# Allegro board RK_NVR_DEMO_RK3568_DDR4P216SD4_V12_20201221YWQ_final.brd (continued)
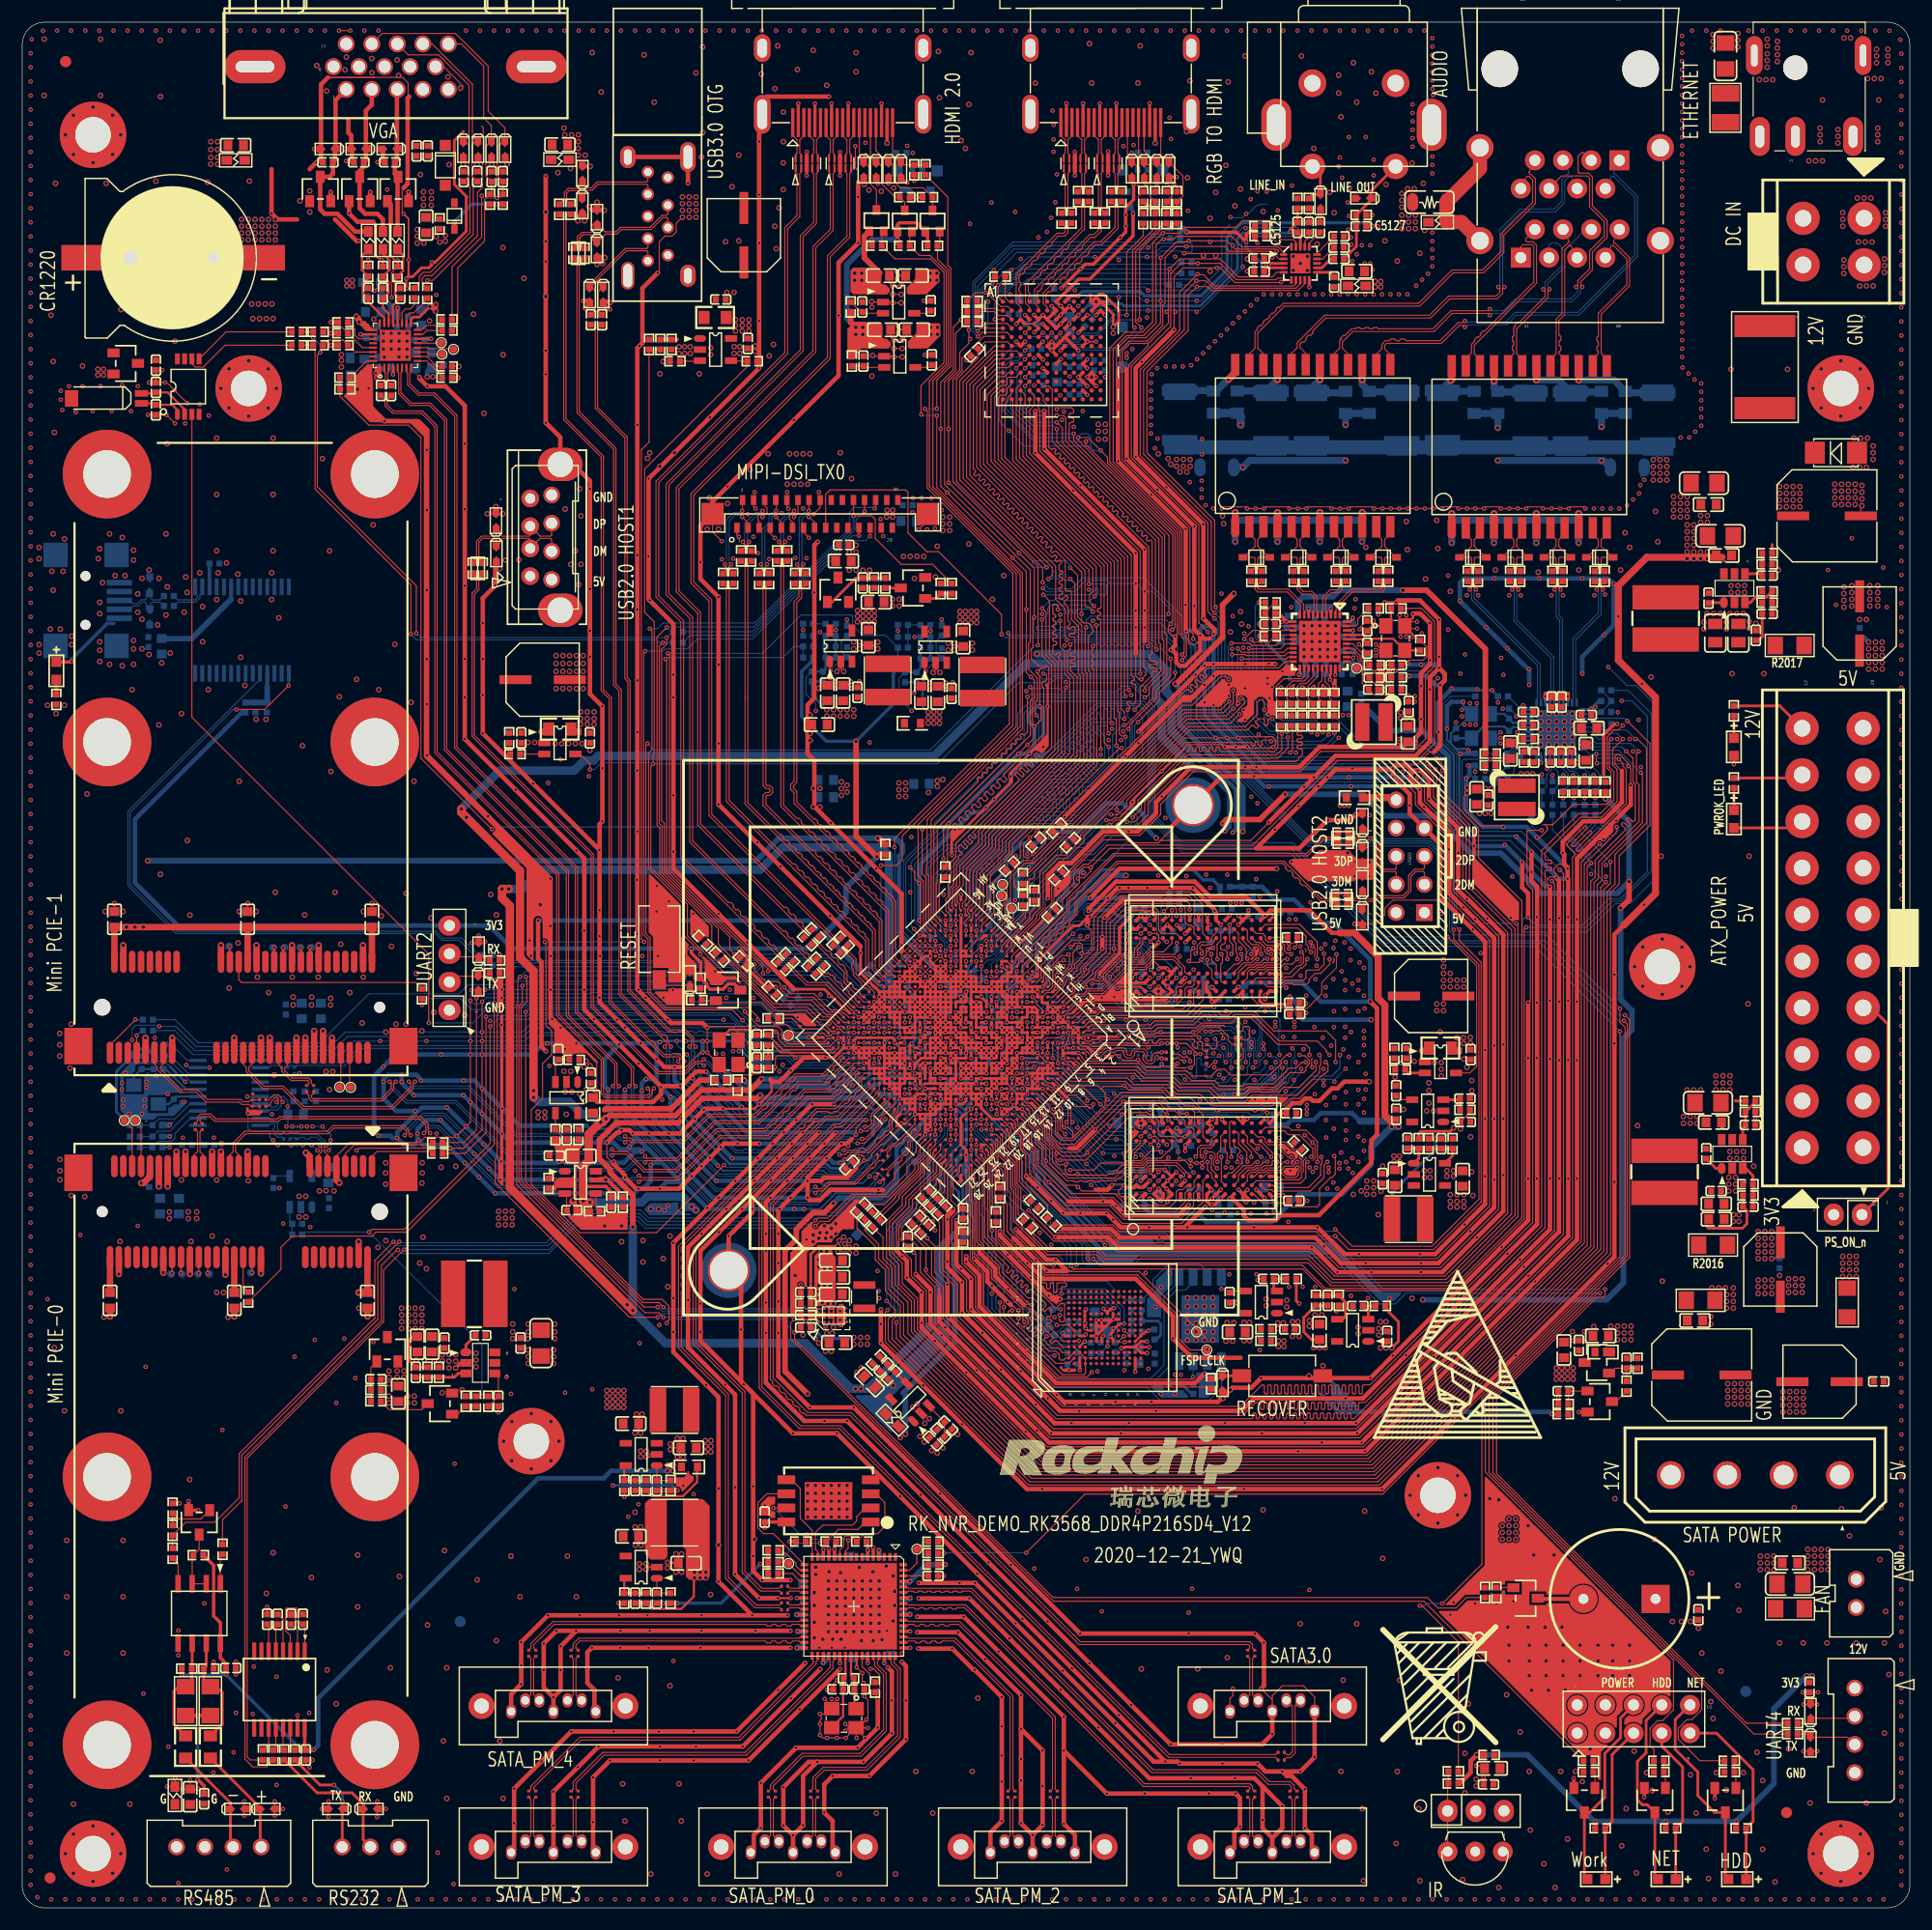
[diagram p0: board, top side]
## Copper pours and planes (outline as drawn; the poured copper is in the pictures) (continued)
GND on GND: 2.03,0.51 0.95,0.95 0.51,2.03 0.51,167.94 0.95,169.02 2.03,169.47 168.05,169.47 169.12,169.02 169.57,167.94 169.57,2.03 169.12,0.95 168.05,0.51
GND on POWER: 2.03,0.51 0.95,0.95 0.51,2.03 0.51,167.94 0.95,169.02 2.03,169.47 168.05,169.47 169.12,169.02 169.57,167.94 169.57,2.03 169.12,0.95 168.05,0.51 ; 9 cut-outs
GND on POWER: 105.11,86.56 105.11,85.14 105.61,84.63 105.61,81.48 103.23,79.1 103.23,78.54 102.97,78.28 102.97,77.72 103.38,77.32 103.38,75.59 104.6,74.37 105.41,74.37 105.82,73.96 105.82,68.68 105.21,68.07 105.21,67.36 107.09,65.48 116.43,65.48 117.09,66.14 120.04,66.14 120.95,67.06 120.95,71.22 121.36,71.63 121.36,73.86 120.95,74.27 120.95,74.78 121.36,75.18 121.36,75.59 120.95,76 120.95,85.47 119.25,87.17 106.12,87.17 105.71,86.77 105.31,86.77
VCC1V2_RK61X on TOP (solid shape): 82.73,142.72 82.73,141.71 81.58,140.56 79.93,140.56 79.81,140.69 79.81,141.2 80.2,141.59 80.3,141.59 80.3,141.69 80.57,141.96 80.57,142.72 80.7,142.85 82.6,142.85
VCC1V2_RK61X on BOTTOM: 94.39,138.66 94.54,138.66 94.64,138.76 94.64,140.28 94.34,140.59 93.42,140.59 93.22,140.39 93.22,140.18 93.12,140.08 92.76,140.08 92.13,140.72 92.13,141.07 92,141.2 91.74,141.2 91.62,141.07 91.62,140.31 91.74,140.18 92.13,140.18 92.51,139.8 92.51,138.71 92.84,138.38 94.11,138.38
VCC1V2_RK61X on BOTTOM: 95.55,136.25 96.27,136.96 96.27,137.31 95.33,138.25 95.12,138.25 94.95,138.07 94.95,136.35 95.05,136.25
VCC1V2_RK61X on POWER: 95.45,143.15 86.92,143.15 86.51,143.56 81.84,143.56 81.13,142.85 81.13,140.72 81.99,139.85 87.25,139.85 88.44,141.05 91.26,141.05 92.91,139.4 92.91,137.16 92.96,137.11 92.96,136.8 93.22,136.55 94.84,136.55 94.88,136.59 95.49,136.59 95.5,136.6 95.76,136.6 96.14,136.98 96.14,137.49 94.84,138.79 94.84,140.51 95.66,141.33 95.66,142.95
VCC3V3_ATX on TOP: 77.06,119.18 77.06,118.36 76.96,118.26 76.96,114.71 76.76,114.5 74.32,114.5 74.02,114.81 74.02,118.16 75.13,119.28 76.96,119.28
VCC3V3_ATX on TOP: 120.75,51.31 123.6,51.31 123.6,50.39 123.39,50.19 120.95,50.19 120.55,50.6 120.55,51.1
VCC3V3_ATX on TOP: 49.53,66.85 49.53,66.14 49.43,66.04 48.31,66.04 47.7,65.43 46.58,65.43 46.18,65.84 46.18,71.83 46.38,72.03 47.29,72.03 47.5,71.83 47.5,68.78 47.8,68.48 47.8,67.46 48.21,67.06 49.33,67.06
VCC3V3_ATX on TOP: 32.36,46.33 32.77,46.33 32.87,46.43 32.87,46.63 33.07,46.84 34.59,46.84 34.7,46.94 34.7,49.68 34.39,49.99 32.97,49.99 32.66,49.68 32.66,48.46 32.26,48.06 32.26,46.43
VCC3V3_ATX on TOP: 49.94,76.81 50.75,76.81 51.66,75.9 51.66,75.08 51.56,74.98 50.85,74.98 50.75,74.88 50.75,74.37 50.24,73.86 49.83,73.86 49.73,73.96 49.73,76.61
VCC3V3_ATX on TOP: 127.76,65.43 130.3,65.43 130.3,63.3 129.69,62.69 128.68,62.69 128.37,62.99 128.37,64.31 128.17,64.52 127.86,64.52 127.66,64.72 127.66,65.33
VCC3V3_ATX on TOP: 80.21,44.3 79.91,44.3 79.81,44.2 79.81,43.08 81.23,41.66 81.43,41.66 82.85,43.08 82.85,43.28 82.55,43.59 82.45,43.59 82.25,43.38 81.13,43.38
VCC3V3_ATX on TOP: 156.51,62.18 155.3,60.96 153.57,60.96 153.16,60.55 153.16,58.32 153.77,57.71 161.8,57.71 162.51,58.42 162.51,66.04 162.92,66.45 166.67,66.45 167.39,67.16 167.39,69.8 166.78,70.41 165.56,70.41 161.29,74.68 159.16,74.68 157.53,73.05 157.53,68.99 156.51,67.97
VCC3V3_ATX on TOP: 143.1,49.28 145.75,49.28 145.85,49.38 145.85,52.48 145.49,52.83 142.8,52.83 142.39,52.43 142.39,51 142.8,50.6 142.8,49.58
VCC3V3_ATX on TOP: 127.56,71.22 129.9,71.22 130,71.12 130,70 129.79,69.8 128.98,69.8 128.78,70 128.78,70.1 128.57,70.31 127.56,70.31 127.46,70.41 127.46,71.12
VCC3V3_ATX on TOP: 82.85,114.5 82.55,114.81 82.55,116.79 82.92,117.16 86.09,117.16 86.31,116.94 86.31,114.91 85.9,114.5
VCC3V3_ATX on TOP: 73.41,52.63 73.41,51.92 73.71,51.61 73.71,50.7 73.91,50.5 76.45,50.5 76.56,50.6 76.56,51.61 74.83,53.34 74.12,53.34 74.12,52.63
VCC3V3_ATX on BOTTOM: 121.97,51.31 121.97,50.29 122.38,49.89 144.63,49.89 145.44,50.7 145.44,53.01 144.02,54.43 138.71,54.43 138.63,54.36 125.12,54.36 122.28,51.51 122.17,51.51
VCC3V3_ATX on POWER: 132.13,64.92 154.38,64.92 158.24,61.06 158.24,58.52 157.12,57.4 146.96,57.4 145.75,56.18 145.75,50.57 144.78,49.61 137.95,49.61 137.41,49.07 137.41,46.43 127,36.02 89.87,36.02 86.26,39.62 81.74,39.62 81.72,39.64 81.22,39.64 72.49,48.36 52.17,48.36 52.13,48.4 41.85,48.4 40.31,46.86 32.97,46.86 32.61,47.22 32.61,51.16 32.84,51.38 36.4,51.38 40.28,55.27 40.28,57 35.65,61.63 19.39,61.63 16.71,64.31 16.71,64.34 16.51,64.54 16.51,70.82 17.12,71.42 17.12,76.81 16.92,77.01 16.31,77.01 15.6,77.72 15.6,85.24 15.65,85.29 15.65,96.88 19.56,100.79 50.75,100.79 63.7,113.74 66.93,113.74 70.43,117.25 86.21,117.25 87.12,116.33 87.12,110.03 86.37,109.28 67.88,109.28 50.95,92.35 22.4,92.35 20.47,90.42 20.47,79.55 19.25,78.33 19.25,76.1 20.27,75.08 20.27,70.21 20.52,69.95 20.93,69.95 23.01,67.87 27.89,67.87 28.7,68.68 28.7,74.37 31.55,77.22 45.97,77.22 46.48,77.72 49.02,77.72 49.83,76.91 51.77,76.91 52.07,76.61 52.07,71.93 50.95,70.82 46.28,70.82 42.21,74.88 36.12,74.88 35.61,75.39 32.97,75.39 32.16,74.57 32.16,71.02 33.22,69.95 33.22,69.14 33.78,68.58 34.59,68.58 39.17,64.01 49.12,64.01 58.98,54.15 74.42,54.15 77.98,50.6 77.98,48.97 83.46,43.48 87.63,43.48 88.24,42.88 122.07,42.88 128.37,49.17 128.37,70.51 128.78,70.92 131.01,70.92 131.62,70.31 131.62,65.43
VCC3V3_DCIN on TOP: 145.24,65.33 152.25,65.33 152.65,64.92 152.65,61.87 151.84,61.06 151.84,59.33 151.54,59.03 147.07,59.03 145.03,61.06 145.03,65.13
VCC3V3_LCD0 on TOP: 73,125.07 73,123.44 72.59,123.04 72.59,119.08 72.69,118.97 73.81,118.97 73.91,119.08 73.91,125.07 73.81,125.17 73.1,125.17
VCC3V3_PCIE on TOP: 7.87,86.36 7.87,87.58 7.57,87.88 7.57,88.6 7.77,88.8 32.36,88.8 32.46,88.7 32.46,87.78 32.26,87.58 8.99,87.58 8.69,87.27 8.69,86.36
VCC3V3_PCIE on TOP: 7.47,54.97 19.46,54.97 19.66,55.17 19.66,56.36 19.43,56.59 7.49,56.59 7.37,56.46 7.37,55.07
VCC3V3_PCIE on TOP: 37.54,58.42 39.88,58.42 39.98,58.32 39.98,51.82 39.07,50.9 32.46,50.9 32.36,51 32.36,52.02 32.97,52.63 32.97,54.36 33.17,54.56 36.42,54.56 36.53,54.46 36.53,53.44 36.63,53.34 36.93,53.34 37.03,53.44 37.03,57.91
VCC3V3_PCIE on BOTTOM: 21.49,55.98 21.89,56.39 21.89,57.3 15.8,63.4 7.98,63.4 5.23,66.14 5.23,87.17 7.06,89 11.33,89 18.24,82.09 20.98,82.09 22.2,80.87 27.38,80.87 27.58,80.67 27.58,78.94 27.38,78.74 16.51,78.74 13.87,81.38 9.8,81.38 9.5,81.08 9.5,79.15 7.77,77.42 7.77,67.97 10.52,65.23 18.29,65.23 26.03,57.48 33.86,57.48 36.53,54.81 36.53,52.32 36.02,51.82 24.54,51.82 22.4,53.95 17.53,53.95 17.22,54.25 17.22,55.78 17.42,55.98
VCC3V3_PHY0 on TOP: 141.1,108.28 141.1,105.99 141.35,105.74 142.37,105.74 142.63,106.01 142.63,107.91 142.14,108.41 141.22,108.41
VCC3V3_PHY0 on TOP: 136.75,103.63 134.92,103.63 134.52,104.04 133.65,104.04 133.25,104.44 132.54,104.44 132.44,104.34 132.44,102.82 132.64,102.62 136.55,102.62 137.06,103.12 137.06,103.33
VCC3V3_PHY0 on POWER: 141.12,107.7 141.73,107.7 142.04,108 142.04,109.32 140.51,110.85 136.96,110.85 133.71,107.59 133.71,104.44 132.99,103.73 132.99,103.12 133.4,102.72 136.75,102.72 137.06,103.02 137.06,103.33 136.25,104.14 134.92,104.14 134.32,104.75 134.32,106.88 137.16,109.73 140.41,109.73 141.02,109.12 141.02,107.8
VCC3V3_PHY1 on BOTTOM: 112.73,114.17 112.73,116.74 112.78,116.79 114.33,116.79 114.33,116.1 114.35,116.1 114.35,115.14 114.05,114.83 114.05,114 113.79,113.74 113.16,113.74
VCC3V3_PHY1 on BOTTOM: 118.41,111.56 120.24,111.56 120.65,111.96 121.56,111.96 122.07,111.46 122.48,111.46 122.68,111.25 122.68,110.54 118.62,110.54 118.11,111.05 118.11,111.25
VCC3V3_PHY1 on POWER: 114.05,115.62 113.44,115.62 113.41,115.65 113.16,115.65 112.78,116.03 112.78,117.93 113.16,118.31 114.2,118.31 114.66,118.77 118.21,118.77 121.46,115.52 121.46,112.37 122.17,111.66 122.17,111.05 121.77,110.64 118.41,110.64 118.11,110.95 118.11,111.25 120.24,113.39 120.24,115.42 118.01,117.65 114.76,117.65 114.15,117.04 114.15,115.72
VCC3V3_PI6C on BOTTOM: 16.51,66.65 16.31,66.85 9.4,66.85 9.19,67.06 9.19,70.71 9.4,70.92 9.91,70.92 10.01,70.82 10.01,67.97 10.11,67.87 14.78,67.87 14.99,68.07 14.99,70.51 15.19,70.71 16.61,70.71 16.71,70.61 16.71,67.87 17.22,67.87 17.63,67.46 27.58,67.46 28.3,68.17 28.3,70.1 27.48,70.92 25.04,70.92 24.84,71.12 24.84,72.14 24.94,72.24 25.86,72.24 25.96,72.34 25.96,72.95 26.06,73.05 27.89,73.05 29.01,71.93 29.01,67.26 27.99,66.24 27.28,66.24 26.37,65.33 25.86,65.33 25.65,65.53 25.65,66.24 25.25,66.65
VCC3V3_RK61X on TOP (solid shape): 82.63,147.49 82.63,146.58 81.48,145.44 79.83,145.44 79.71,145.57 79.71,146.08 80.1,146.47 80.2,146.47 80.2,146.57 80.47,146.84 80.47,147.6 80.59,147.73 82.39,147.73
VCC3V3_RK61X on BOTTOM: 92.1,139.88 91.69,139.88 91.31,139.5 91.31,139.4 90.8,139.4 90.68,139.27 90.68,138.89 90.8,138.76 91.44,138.76 91.59,138.61 91.59,138 91.72,137.87 92.3,137.87 92.3,139.67
VCC3V3_RK61X on BOTTOM: 92.81,143.33 93.73,143.33 94.64,144.25 94.64,145.16 94.44,145.36 92.71,145.36 92.58,145.49 90.68,145.49 90.58,145.39 90.58,144.48 90.27,144.17 89.56,144.17 89.46,144.07 89.46,143.26 90.17,143.26 90.25,143.33 90.47,143.33 90.98,143.84 92.3,143.84
VCC3V3_RK61X on BOTTOM: 95.92,140.14 95.76,139.98 95.76,138.66 95.86,138.56 96.14,138.56 96.16,138.58 96.16,139.09 96.34,139.27 98.04,139.27 98.2,139.12 98.2,138.68 98.6,138.28 99.52,138.28 99.92,138.68 99.92,140.11 99.62,140.41 99.36,140.41 99.06,140.11 98.6,140.11 98.56,140.14
VCC3V3_RK61X on POWER: 102.74,148.79 101.73,149.81 92.58,149.81 92.57,149.8 82.89,149.8 81.23,148.13 81.23,144.88 82.65,143.46 88.34,143.46 88.47,143.33 93.95,143.33 94.13,143.15 95.76,143.15 96.16,142.75 96.16,141.22 95.55,140.61 95.55,138.63 95.63,138.63 96.27,138 96.27,137.74 96.39,137.62 96.39,136.45 96.14,136.19 93.27,136.19 92.71,136.75 92.71,139.6 92.41,139.9 91.69,139.9 91.49,139.7 91.49,136.73 92.76,135.46 96.34,135.46 96.37,135.43 96.39,135.46 97.79,135.46 102.74,140.41
VCC3V3_SATAPM on TOP: 59.66,47.02 62.05,47.02 62.43,46.63 62.43,40.13 61.44,39.14 60.43,39.14 60.3,39.27 60.3,40.03 60.05,40.28 60.05,42.32 59.54,42.82 59.54,46.89
VCC3V3_SATAPM on BOTTOM: 76.58,32.33 76.45,32.46 73.02,32.46 72.9,32.33 72.9,31.45 73.02,31.32 76.45,31.32 76.58,31.45
VCC3V3_SATAPM on BOTTOM: 73.28,22 75.74,22 75.95,21.79 76.2,21.79 76.45,22.05 76.45,22.94 76.38,23.01 73.28,23.01 73.15,22.89 73.15,22.12
VCC3V3_SATAPM on POWER: 69.65,25.93 70.36,25.22 70.36,24.33 69.6,23.57 69.6,23.32 70.23,22.68 72.64,22.68 73.41,21.92 74.29,21.92 74.55,22.17 75.56,22.17 75.95,21.79 76.58,21.79 77.98,23.19 80.14,23.19 80.26,23.32 80.26,23.83 79.5,24.59 79.5,25.5 80.21,26.21 80.21,26.62 79.4,27.43 79.4,28.45 80.31,29.36 80.31,30.38 79.2,31.5 77.27,31.5 76.25,32.51 73.1,32.51 72.9,32.31 72.9,32 72.69,31.8 71.48,31.8 71.17,32.11 71.17,33.81 62.61,42.37 61.01,42.37 60.91,42.27 60.91,35.97 68.02,28.85 69.85,28.85 70.26,28.45 70.26,27.23 69.65,26.62
VCC3V3_VGA on BOTTOM: 31.32,141.83 30.91,141.83 30.76,141.99 30.25,141.99 28.98,143.26 27.46,143.26 27.26,143.05 27.26,136.75 28.47,135.53 38.33,135.53 40.26,137.46 40.26,139.29 37.82,141.73 35.79,141.73 35.69,141.63 35.69,141.12 36.2,140.61 36.2,139.8 36.4,139.6 37.42,139.6 37.52,139.7 38.43,139.7 38.74,139.4 38.74,137.77 37.21,136.25 29.59,136.25 28.17,137.67 28.17,140.82 28.58,141.22 31.22,141.22 31.32,141.33
VCC5V0_ATX on TOP (solid shape): 77.42,147.6 77.42,146.46 77.55,146.33 77.8,146.33 78.18,145.95 78.18,145.69 77.93,145.44 74.88,145.44 74.63,145.69 74.63,147.6 74.88,147.85 77.17,147.85
VCC5V0_ATX on TOP: 167.28,115.01 168.1,114.2 168.1,100.58 167.89,100.38 167.89,84.53 166.31,82.94 165.8,82.94 162.31,79.45 158.24,79.45 156.11,81.58 156.11,109.73 158.75,112.37 159.77,112.37 159.97,112.57 159.97,114.5 160.48,115.01
VCC5V0_ATX on TOP: 163.42,55.17 165.56,55.17 165.76,55.37 165.76,58.93 165.66,59.03 163.42,59.03 163.22,58.83 163.22,55.37
VCC5V0_ATX on TOP: 128.27,78.44 128.27,77.11 128.47,76.91 129.9,76.91 130.1,77.11 130.71,77.11 130.91,77.32 130.91,78.54 130.71,78.74 128.57,78.74
VCC5V0_ATX on TOP: 77.67,127.41 79.3,127.41 79.5,127.2 79.5,124.56 78.79,123.85 78.18,123.85 78.08,123.95 78.08,124.87 77.57,125.37 77.57,127.3
VCC5V0_ATX on TOP: 37.21,151.69 37.92,151.69 38.53,151.08 38.53,150.27 38.23,149.96 37.31,149.96 37.01,150.27 37.01,151.49
VCC5V0_ATX on TOP: 49.02,105.56 51.56,105.56 51.59,105.59 51.66,105.59 51.94,105.87 51.94,108.03 51.82,108.15 49.15,108.15 48.92,107.92 48.92,105.66
VCC5V0_ATX on TOP: 62.94,141.12 65.68,141.12 65.79,141.22 65.79,143.76 65.28,144.27 63.35,144.27 62.84,143.76 62.84,141.22
VCC5V0_ATX on TOP: 51.77,31.39 49.53,33.63 49.53,51.64 44.25,56.92 44.25,58.22 43.64,58.83 42.21,58.83 41.3,59.74 41.3,62.89 41.61,63.2 45.67,63.2 54.81,54.05 54.81,44.5 54.84,44.48 54.84,42.44 55.09,42.19 55.09,41.68 54.97,41.55 53.8,41.55 53.49,41.25 53.49,35.66 54.84,34.32 54.84,32.28 55.09,32.03 55.09,31.52 54.97,31.39
VCC5V0_ATX on BOTTOM: 82.65,123.65 82.47,123.82 82.47,124.79 82.35,124.92 82.35,125.81 82.3,125.81 82.3,127.2 81.91,127.58 79.88,127.58 79.63,127.33 79.63,126.44 79.6,126.42 79.6,124.51 79.5,124.41 77.72,124.41 77.6,124.54 77.6,144.75 76.86,145.49 75.03,145.49 74.73,145.8 74.73,147.93 76.25,149.45 76.25,150.67 76.05,150.88 73.41,150.88 71.79,149.26 71.79,145.53 67.44,141.17 45.34,141.17 36.96,149.56 36.96,151.33 37.17,151.55 39.54,151.55 47.24,143.84 62.86,143.84 72.44,153.42 81.08,153.42 81.41,153.75 81.41,155.4 80.77,156.03 80.77,157.56 80.9,157.68 100.2,157.68 100.84,157.05 100.84,156.29 100.71,156.16 100.2,156.16 99.82,155.78 99.82,154.36 99.69,154.23 87.12,154.23 84.94,152.04 84.94,123.95 84.63,123.65
VCC5V0_ATX on BOTTOM: 52.48,47.14 51.46,46.13 51.46,40.94 53.9,38.51 65.89,38.51 70.87,33.53 74.02,33.53 74.63,32.92 90.07,32.92 93.62,29.36 116.38,29.36 117.4,28.35 134.67,28.35 135.18,28.85 135.18,35.46 134.57,36.07 131.32,36.07 128.88,33.63 124.21,33.63 120.75,37.08 79.91,37.08 69.85,47.14
VCC5V0_ATX on BOTTOM: 25.86,62.59 27.28,61.16 45.36,61.16 45.57,61.37 45.57,63.8 45.47,63.91 42.42,63.91 40.49,65.84 30.43,65.84 28.09,63.5 26.97,63.5 26.67,63.8 26.06,63.8 25.86,63.6
VCC5V0_ATX on BOTTOM: 158.34,60.05 162,56.39 165.56,56.39 168.81,59.64 168.81,90.53 168.71,90.63 168.71,113.49 167.49,114.71 164.03,114.71 162.71,113.39 162.71,104.85 158.34,100.48
VCC5V0_ATX on POWER: 166.07,59.13 163.63,59.13 158.24,53.75 152.45,53.75 133.05,34.34 133.05,32.92 133.55,32.41 137.92,32.41 154.38,48.87 164.74,48.87 167.18,51.31 167.18,58.01
VCC5V0_ATX on POWER: 168.91,115.01 168.91,111.15 166.67,108.92 160.58,108.92 157.06,105.4 157.06,99.1 143.89,85.93 143.89,82.37 145.03,81.23 145.03,79.32 142.21,76.5 130,76.5 128.88,77.62 128.88,87.58 128.4,88.06 128.4,92.15 126.57,93.98 116.98,93.98 114.55,96.41 111.32,96.41 102.74,104.98 102.74,110.57 100.96,112.34 93.98,112.34 92.2,114.12 88.01,114.12 87.63,114.5 87.63,116.66 86.64,117.65 77.27,117.65 77.06,117.45 70.36,117.45 66.83,113.92 63.58,113.92 55.02,105.36 49.43,105.36 48.92,105.87 48.92,108.81 60.55,120.45 70.36,120.45 73.66,123.75 73.66,125.43 75.44,127.2 94.36,127.2 103.63,117.93 109.98,117.93 110.24,118.19 112.27,118.19 112.52,117.93 112.52,108.53 113.79,107.26 118.36,107.26 121.03,104.6 132.97,104.6 133.22,104.34 133.22,103.84 132.97,103.58 132.97,103.45 132.84,103.33 131.57,103.33 131.32,103.07 131.32,102.69 131.44,102.57 131.44,101.3 130.68,100.53 130.68,98.5 131.19,97.99 134.62,97.99 135.64,99.01 145.67,99.01 146.46,99.8 146.46,102.92 146.43,102.95 146.43,107.77 144.78,109.42 143,109.42 142.75,109.68 142.75,111.71 146.35,115.32 168.61,115.32
VCC5V0_DCIN on TOP: 144.73,115.11 144.73,112.27 145.24,111.76 157.63,111.76 158.55,112.67 158.55,114.3 158.24,114.6 151.64,114.6 150.83,115.42 145.03,115.42
VCC5V0_USB20_HOST1 on TOP: 48.01,105.66 43.54,105.66 42.42,106.78 42.42,118.57 45.06,121.21 48.11,121.21 48.72,120.6 48.72,119.38 47.9,118.57 47.19,118.57 46.28,117.65 46.28,109.83 48.01,108.1
VCC5V0_USB20_HOST2 on TOP: 123.19,90.22 123.19,77.52 123.49,77.22 125.53,77.22 125.83,76.91 126.75,76.91 127.05,77.22 127.05,77.62 126.75,77.93 126.75,82.19 127.25,82.7 127.25,90.42 127.05,90.63 123.6,90.63
VCC5V0_USB30_OTG0 on TOP: 57.73,146.33 58.78,145.29 58.78,141.94 58.98,141.73 58.98,141.33 59.18,141.12 60.71,141.12 60.81,141.02 61.82,141.02 62.03,141.22 62.03,144.17 62.22,144.36 62.5,144.36 62.79,144.65 62.79,144.93 62.94,145.08 62.94,145.49 63.83,146.38 65.02,146.38 65.79,147.14 65.79,149.3 65.28,149.81 58.17,149.81 57.73,149.38
VCC5V0_VGA on TOP: 38.99,152.86 38.13,151.99 35.69,151.99 34.47,153.21 34.47,154.64 34.77,154.94 35.84,154.94 36.6,155.7 38.56,155.7 38.61,155.65 38.61,155.14 38.73,155.02 38.74,155.02 38.99,154.77 39.37,154.38 39.37,153.11 39.12,152.86
VCC5V0_VGA on BOTTOM: 34.32,143.41 34.53,143.2 35.24,143.2 35.54,143.51 37.37,143.51 38.02,144.16 38.02,146.71 35.38,149.35 35.38,151.69 35.89,152.2 36.2,152.2 37.42,153.42 37.42,154.84 36.91,155.35 27.76,155.35 27.56,155.14 27.56,154.43 27.66,154.33 31.01,154.33 32.03,153.31 32.03,147.93 34.32,145.64
VCC5V0_VGA_CON on TOP: 35.18,159.61 36.91,161.34 36.91,164.29 35.99,165.2 34.57,165.2 34.27,165.51 34.27,166.42 34.57,166.73 35.69,166.73 37.72,164.69 37.72,160.53 38.74,159.51 38.74,158.7 38.53,158.5 35.28,158.5 35.18,158.6
VCC5V_FT232_DEBUG on BOTTOM: 7.62,116.41 9.91,116.41 11.18,115.14 12.95,115.14 13.33,114.76 13.33,114.12 13.21,114 11.94,114 11.68,114.25 10.67,114.25 9.52,115.39 7.87,115.39 7.62,115.65
VCC5V_HDMI14_TX on BOTTOM: 101.77,159.38 101.07,158.69 101.07,156.36 101.36,156.07 101.36,156.06 103.29,156.06 103.39,156.16 103.39,158.39 102.4,159.38
VCC5V_HDMI_TX on BOTTOM: 77.91,155.91 80.2,155.91 80.45,156.16 80.45,156.87 79.94,157.38 79.33,157.38 79.13,157.58 79.13,158.8 78.42,159.51 77.91,159.51 77.3,158.9 77.3,156.51
VCC12V_ATX on TOP: 154.58,68.58 154.48,68.48 153.97,68.48 153.77,68.68 153.77,69.7 153.37,70.1 152.86,70.1 152.55,70.41 152.55,71.63 152.25,71.93 152.25,75.03 152.48,75.26 154.46,75.26 154.58,75.13
VCC12V_ATX on TOP: 158.95,31.9 158.95,26.31 158.65,26.01 156.11,26.01 155.6,26.52 155.6,31.9 155.7,32 158.85,32
VCC12V_ATX on TOP: 152.04,135.23 152.96,136.14 158.65,136.14 158.75,136.25 159.36,136.25 162.41,133.2 162.41,124.16 160.88,122.63 156.51,122.63 156.31,122.43 156.31,122.22 154.69,120.6 154.69,119.79 154.58,119.68 154.08,119.68 153.97,119.79 153.97,121.01 153.57,121.41 153.57,122.53 153.37,122.73 153.37,124.56 152.04,125.88
VCC12V_ATX on TOP: 42.11,48.77 43.43,48.77 43.84,48.36 47.78,48.36 48.13,48.72 48.13,50.62 48.01,50.75 44.4,50.75 44.25,50.6 44.25,50.19 43.54,49.48 42.11,49.48
VCC12V_ATX on TOP: 151.64,56.18 151.64,54.05 151.94,53.75 154.48,53.75 154.58,53.85 154.58,56.08 154.18,56.49 151.94,56.49
VCC12V_ATX on BOTTOM: 151.74,29.97 144.32,37.39 144.32,37.54 132.44,37.54 129.64,40.34 125.73,40.34 123.09,37.69 123.09,37.67 122.96,37.54 97.74,37.54 97.69,37.49 82.04,37.49 81.99,37.54 79.45,37.54 69.75,47.24 45.97,47.24 45.16,48.06 45.16,50.5 45.47,50.8 47.7,50.8 48.11,50.39 70.46,50.39 79.91,40.94 117.91,40.94 121.16,44.2 138.33,44.2 143.41,49.28 145.14,49.28 145.95,50.09 145.95,53.04 144.32,54.66 144.32,82.91 144.37,82.96 144.37,87.12 147.47,90.22 147.47,106.98 147.52,107.04 147.52,113.44 154.18,120.09 154.18,127.61 155.19,128.63 160.27,128.63 160.78,128.12 160.78,108.41 161.9,107.29 161.9,105.16 161.34,104.6 161.29,104.65 159.66,104.65 157.84,102.82 157.84,63.91 155.85,61.93 155.85,48.21 155.84,48.2 156.08,47.96 156.08,36.7 159.36,33.43 159.36,30.68 158.65,29.97
VCC12VDC on TOP: 160.17,157.48 162.31,155.35 162.31,142.65 160.48,140.82 152.15,140.82 151.94,141.02 151.94,147.22 151.23,147.93 151.23,161.14 151.84,161.75 157.33,161.75 158.04,161.04 158.04,158.7 159.26,157.48
VCC25_DDR on TOP: 125.83,71.12 125.83,70.51 125.63,70.31 124.71,70.31 124.21,69.8 123.19,69.8 122.89,70.1 122.89,71.12 123.09,71.32 125.63,71.32
VCC_1V8 on TOP: 119.23,51.61 119.02,51.82 116.18,51.82 115.98,51.61 115.98,50.39 116.18,50.19 118.92,50.19 119.23,50.5
VCC_1V8 on TOP: 78.99,44.09 78.69,44.09 78.28,43.69 78.28,42.88 78.99,42.16 79.5,42.16 79.71,42.37 79.71,43.38
VCC_1V8 on TOP: 112.22,51.41 113.64,51.41 113.84,51.21 113.84,50.39 113.74,50.29 112.32,50.29 112.22,50.39
VCC_1V8 on BOTTOM: 117.7,50.9 117.7,43.38 115.77,41.45 80.01,41.45 80,41.47 79.64,41.47 78.61,42.49 78.61,46.05 79.25,46.69 89.41,46.69 91.08,45.01 109.78,45.01 112.12,47.35 112.12,51.1 112.52,51.51 117.09,51.51
VCC_1V8 on POWER: 112.52,51.61 117.91,51.61 118.41,51.1 118.41,49.48 118.31,49.38 112.52,49.38 112.12,49.78 112.12,51.21
VCC_3V3 on TOP (solid shape): 77.52,142.72 77.52,141.58 77.65,141.45 77.9,141.45 78.28,141.07 78.28,140.82 78.03,140.56 75.62,140.56 75.41,140.36 75.31,140.36 75.31,140.26 75.23,140.18 75.23,139.8 74.99,139.56 74.46,139.56 74.35,139.67 74.35,142.34 74.98,142.98 77.27,142.98
VCC_3V3 on TOP: 8.99,137.67 9.19,137.87 9.19,138.99 8.99,139.19 6.65,139.19 6.35,138.89 6.35,137.87 6.55,137.67
VCC_3V3 on TOP: 122.48,145.8 122.58,145.9 122.58,146.81 122.48,146.91 120.55,146.91 120.35,146.71 120.35,145.9 120.45,145.8
VCC_3V3 on TOP: 164.03,18.8 162.81,20.02 157.94,20.02 151.43,26.52 146.25,26.52 134.57,38.2 134.57,38.3 133.86,39.01 133.86,46.63 137.21,49.99 139.45,49.99 139.95,50.5 141.99,50.5 142.09,50.39 142.09,48.46 140.77,47.14 137.92,47.14 136.91,46.13 136.91,41.96 149.5,29.36 150.83,29.36 158.04,22.15 160.58,22.15 161.54,21.18 165.46,21.18 166.27,20.37 166.27,19.3 165.76,18.8
VCC_3V3 on TOP: 112.22,51.71 113.84,51.71 113.94,51.82 113.94,53.44 113.44,53.95 112.62,53.95 112.22,53.54
VCC_3V3 on TOP: 59.66,39.14 59.66,40.28 59.54,40.41 58.01,40.41 57.89,40.28 57.89,39.27 58.14,39.01 59.54,39.01
VCC_3V3 on TOP: 112.22,149.05 111.71,149.05 111.61,148.95 111.61,147.32 111.71,147.22 112.42,147.22 112.52,147.32 112.52,148.74
VCC_3V3 on BOTTOM: 97.08,51.51 97.18,51.61 97.18,52.43 97.38,52.63 98.3,52.63 98.5,52.83 98.5,53.14 98.3,53.34 97.38,53.34 97.18,53.14 96.57,53.14 96.16,52.73 96.16,51.92 96.47,51.61 96.47,51.51 96.67,51.31 96.67,50.7 96.77,50.6 97.38,50.6 97.54,50.75 97.54,51.13 97.28,51.38 97.21,51.38
VCC_3V3 on BOTTOM: 111.71,148.54 113.23,148.54 114.45,147.32 122.28,147.32 122.58,147.02 122.58,145.9 122.38,145.69 111.51,145.69 105.51,139.7 102.77,139.7 101.35,138.28 101.35,132.08 100.94,131.67 96.77,131.67 96.37,132.08 96.37,136.04 97.69,137.36 98.7,137.36 100.33,138.99 100.33,141.33 102.46,143.46 106.07,143.46 109.88,147.27 110.44,147.27
VCC_3V3 on BOTTOM: 29.34,139.24 30.07,139.24 30.1,139.27 30.1,140.41 29.97,140.54 28.45,140.54 28.32,140.41 28.32,138.89 28.58,138.63 28.96,138.63 29.08,138.76 29.08,138.99
VCC_3V3 on BOTTOM: 36.4,137.67 37.11,137.67 37.31,137.87 37.31,138.38 37.52,138.58 38.13,138.58 38.33,138.79 38.33,139.29 38.23,139.4 36.4,139.4 36.09,139.09 36.09,137.97
VCC_3V3 on BOTTOM: 31.27,146.96 29.03,146.96 28.93,146.86 28.93,145.95 29.03,145.85 31.27,145.85 31.38,145.95 31.38,146.86
VCC_3V3 on BOTTOM: 140.16,49.17 140.16,46.53 138.84,45.21 120.7,45.21 117.91,48.01 117.91,51.1 117.2,51.82 112.9,51.82 112.78,51.94 112.78,55.32 113.03,55.58 119,55.58 121.26,53.31 121.26,50.29 121.87,49.68 139.65,49.68
VCC_3V3 on BOTTOM: 82.04,73.36 82.04,73.15 82.65,72.54 82.65,72.34 82.55,72.24 82.85,71.93 83.16,71.93 83.77,72.54 84.28,72.54 84.38,72.64 84.48,72.54 84.89,72.54 86.22,73.88 86.88,73.88 87.12,74.12 87.12,74.37 86.99,74.5 86.99,74.88 86.87,74.88 86.74,74.75 86.74,74.63 86.36,74.63 86.31,74.68 85.9,74.68 84.58,73.36 84.28,73.36 84.07,73.15 84.07,73.05 83.36,73.05 82.68,73.74 82.42,73.74
VCC_3V3 on POWER: 87.12,31.6 84.07,34.65 70.71,34.65 62.79,42.57 60.81,42.57 60.81,39.32 60.4,38.91 57.35,38.91 52.37,33.93 22,33.93 1.47,54.46 1.47,93.47 34.9,126.9 34.9,130.45 31.55,133.81 29.31,133.81 27.05,136.07 27.05,141.45 23.22,145.29 15.49,145.29 7.77,137.57 6.45,137.57 6.35,137.67 6.35,140 13.77,147.42 26.16,147.42 26.17,147.41 29.83,147.41 30.35,146.89 30.35,146.38 29.34,145.36 29.34,137.87 29.84,137.36 33.96,137.36 35.69,139.09 69.95,139.09 73.81,142.95 75.64,142.95 76.71,141.88 76.71,140.54 77.98,139.27 86.99,139.27 88.52,140.79 90.8,140.79 91.06,140.54 91.06,136.73 92.46,135.33 99.82,135.33 100.63,134.52 100.63,131.37 110.59,121.41 123.9,121.41 125.43,119.89 125.43,118.67 125.12,118.36 123.49,118.36 122.78,119.08 114.81,119.08 114.29,118.56 110.37,118.56 109.87,118.06 103.76,118.06 93.95,127.86 77.83,127.86 73.91,131.78 45.47,131.78 44.86,131.17 44.86,122.22 42.62,119.99 36.93,119.99 11.63,94.69 11.63,82.8 11.13,82.3 11.13,80.47 8.38,77.72 8.38,68.17 30.94,45.62 56.95,45.62 58.06,46.74 73.61,46.74 81.13,39.22 86.31,39.22 89.87,35.66 127.46,35.66 137.62,45.82 137.62,48.97 137.92,49.28 141.58,49.28 141.88,48.97 141.88,43.48 130,31.6
VCC_3V3 on POWER: 113.44,51.92 113.94,52.43 113.94,54.25 111.71,56.49 97.59,56.49 96.57,55.47 96.57,51.31 96.77,51.1 98.81,51.1 99.01,51.31 99.01,52.93 99.82,53.75 110.49,53.75 112.32,51.92
VCC_DDR on TOP: 122.38,65.53 124,65.53 124.21,65.33 124.21,60.25 123.9,59.94 122.99,59.94 122.78,60.15 122.78,62.59 121.36,64.01 120.65,64.01 120.45,64.21 120.45,65.13 121.16,65.84 122.07,65.84
VCC_DDR on BOTTOM: 107.04,81.48 106.83,81.69 106.83,82.09 106.83,82.09 106.79,82.14 106.87,82.14 106.93,82.19 107.04,82.19 107.34,82.5 107.34,82.6 107.44,82.7 107.44,83.41 106.63,84.23 106.07,84.23 105.88,84.04 105.88,82.44 105.48,82.04 105.48,82.02 105.38,81.92 105.08,81.92 104.58,82.42 104.58,87.14 105.08,87.64 105.08,87.94 104.98,88.04 104.65,88.04 104.19,87.58 103.5,87.58 103.38,87.71 103.38,88.85 103,89.23 103,89.61 103.35,89.61 103.98,88.98 103.98,88.84 104.08,88.74 104.78,88.74 104.88,88.84 104.88,89.44 105.08,89.64 105.38,89.64 105.78,89.24 106.29,89.24 106.68,89.62 106.98,89.62 107.38,89.22 107.38,87.74 107.28,87.64 106.68,87.64 105.91,86.86 105.91,85.31 106.43,84.79 107.7,84.79 108.08,84.4 108.08,81.74 107.97,81.64 107.49,81.64 107.34,81.48
VCC_DDR on BOTTOM: 100.01,71.34 99.74,71.07 99.74,70.36 99.81,70.29 100.09,70.29 100.24,70.15 100.66,70.15 100.67,70.15 100.78,70.15 100.88,70.25 100.88,71.24 100.78,71.34
VCC_DDR on BOTTOM: 104.91,69.14 104.64,68.87 104.64,68.16 104.78,68.02 105.66,68.02 105.66,68.02 105.92,68.02 106.68,68.78 106.68,69.42 106.83,69.57 107.92,69.57 108.36,70 108.36,71.22 108.25,71.32 107.04,71.32 106.73,71.02 106.73,70.15 105.71,69.14
VCC_DDR on BOTTOM: 104.51,64.2 105.08,63.64 105.38,63.64 105.48,63.74 105.48,65.61 105.27,65.82 104.73,65.82 104.51,65.6
VCC_DDR on BOTTOM: 107.24,63.07 107.36,62.95 107.95,62.95 108.28,63.28 108.28,64.04 108.18,64.14 107.7,64.14 107.7,63.83 107.44,63.58 107.06,63.58 106.93,63.45 106.93,63.2 107.06,63.07
VCC_DDR on BOTTOM: 108.44,89.65 108.47,89.62 108.47,89.35 108.58,89.23 108.84,89.23 109.73,90.12 109.9,90.12 110.28,90.5 110.28,91.34 110.18,91.44 108.58,91.44 108.44,91.3
VCC_DDR on BOTTOM: 87.99,79.45 87.99,79.33 88.9,78.43 88.9,78.05 88.65,77.8 88.65,77.67 88.14,77.17 88.14,76.78 87.12,75.77 87.12,75.64 87.63,75.13 87.76,75.13 88.14,75.51 88.39,75.51 88.9,76.02 88.9,76.28 88.65,76.53 88.65,76.66 90.3,78.31 90.3,78.56 90.17,78.69 90.17,78.94 89.92,78.94 89.28,79.58 89.03,79.58 88.9,79.45 88.52,79.45 88.39,79.58 88.12,79.58
VCC_DDR on BOTTOM: 100.98,82.29 100.9,82.37 99.82,82.37 99.79,82.35 99.79,81.64 99.8,81.64 99.8,81.52 99.83,81.49 99.82,81.48 99.82,81.36 100.71,81.36 100.98,81.63
VCC_DDR on BOTTOM: 111.37,65.49 111,65.13 111,64.52 111.51,64.01 111.51,63.3 111.71,63.09 112.22,63.09 112.36,63.23 112.36,65.39 112.26,65.49
